# Allegro board 038NC-GRIFFI-V9A_16_20260429.brd (continued)
## Placement (name value [footprint] x y rotation side) (continued)
UNK9R3  10K-0.1-S4  [R0402]  149.26 301.18 270 bottom
UNK9R7  1K-1-S4  [R0402]  136.75 325.55 180 bottom
UNK9R8  1K-1-S4  [R0402]  139.39 325.55 0 bottom
UNK9R13  0-5-S4  [R0402]  195.08 484.56 0 top
UNK9R14  0-5-S4  [R0402]  247.96 483.08 0 top
UNK9R41  24K-0.1-S4  [R0402]  134.26 308.78 270 bottom
UNK9R42  44.2K-0.1-S4-PAN  [R0402]  134.26 306.58 270 bottom
UNK9RS1  0-5-S4  [R0402]  142.12 268.34 0 bottom
UNK9RS2  NC/0-5-S4  [R0402]  150.47 274.28 270 bottom
UNK9RS3  NC/0-5-S4  [R0402]  142.12 269.82 0 bottom
UNK9RS4  0-5-S4  [R0402]  151.95 274.28 270 bottom
UNK9RS5  0-5-S4  [R0402]  150.96 276.2 0 bottom
UNK9SH2  SHORT  [DEFAULT_SHORT_SMALL]  98.14 484.64 0 top
UNK9SH7  SHORT  [DEFAULT_SHORT_SMALL]  128.99 484.64 0 top
UNK9SH9  SHORT  [DEFAULT_SHORT_SMALL]  131.19 484.64 0 top
UNK9SH14  SHORT  [DEFAULT_SHORT_SMALL]  93.74 484.64 0 top
UNK9SH16  SHORT  [DEFAULT_SHORT_SMALL]  95.94 484.64 0 top
UNK9SH20  SHORT  [DEFAULT_SHORT_SMALL]  100.35 484.64 0 top
UNK9SH29  SHORT  [DEFAULT_SHORT_SMALL]  102.55 484.64 0 top
UNK9SH30  SHORT  [DEFAULT_SHORT_SMALL]  104.75 484.64 0 top
UNK9SH32  SHORT  [DEFAULT_SHORT_SMALL]  106.96 484.64 0 top
UNK9SH33  SHORT  [DEFAULT_SHORT_SMALL]  109.16 484.64 0 top
UNK9SH34  SHORT  [DEFAULT_SHORT_SMALL]  111.36 484.64 0 top
UNK9SH35  SHORT  [DEFAULT_SHORT_SMALL]  140.73 268.88 270 top
UNK9SH36  SHORT  [DEFAULT_SHORT_SMALL]  139.79 268.89 270 top
UNK9SH37  SHORT  [DEFAULT_SHORT_SMALL]  157.74 270.62 270 top
UNK9SH38  SHORT  [DEFAULT_SHORT_SMALL]  159.09 270.63 270 top
UNK9SH39  SHORT  [DEFAULT_SHORT_SMALL]  122.38 484.64 0 top
UNK9SH40  SHORT  [DEFAULT_SHORT_SMALL]  134.38 330.96 270 top
UNK9SH41  SHORT  [DEFAULT_SHORT_SMALL]  141.77 330.96 270 top
UNK9TP_AVSS2/TST  TP01  [TP_040_T]  133.84 274.45 0 top
UNK9TP_GPIO0  TP01  [TP_040_T]  136.57 295.94 90 top
UNK9TP_GPIO1  TP01  [TP_040_T]  136.57 298.48 270 top
UNK9TP_GPIO2  TP01  [TP_040_T]  149.27 295.94 0 top
UNK9TP_GPIO3  TP01  [TP_040_T]  149.27 298.48 270 top
UNK9TP_GPIO4  TP01  [TP_040_T]  146.73 295.94 270 top
UNK9TP_LED0  TP01  [TP_040_T]  144.19 298.48 270 top
UNK9TP_LED1  TP01  [TP_040_T]  144.19 295.94 90 top
UNK9TP_LED2  TP01  [TP_040_T]  146.73 298.48 270 top
UNK9TP_LSIN1_F  TP01  [TP_040_T]  150.99 330.46 0 top
UNK9TP_LSIN1_G  TP01  [TP_040_T]  145.91 340.62 0 top
UNK9TP_LSIN1_S  TP01  [TP_040_T]  148.45 330.46 0 top
UNK9TP_LSIN2/NCHGEN_F  TP01  [TP_040_T]  150.99 335.54 0 top
UNK9TP_LSIN2/NCHGEN_G  TP01  [TP_040_T]  148.45 340.62 0 top
UNK9TP_LSIN2/NCHGEN_S  TP01  [TP_040_T]  148.45 335.54 0 top
UNK9TP_LSOUT1_F  TP01  [TP_040_T]  139.67 244.47 180 top
UNK9TP_LSOUT1_G  TP01  [TP_040_T]  143.37 340.62 0 top
UNK9TP_LSOUT1_S  TP01  [TP_040_T]  141.65 298.48 270 top
UNK9TP_LSOUT2/SUSPEND1_G  TP01  [TP_040_T]  150.99 340.62 0 top
UNK9TP_LSOUT2/SUSPEND1_S  TP01  [TP_040_T]  141.65 295.94 0 top
UNK9TP_LSOUT2/SUSPEND_F  TP01  [TP_040_T]  136.47 244.47 180 top
UNK9TP_NCHG/ATB0_F  TP01  [TP_040_T]  143.93 292.54 0 top
UNK9TP_NCHG/ATB0_G  TP01  [TP_040_T]  143.93 288.14 0 top
UNK9TP_NCHG/ATB0_S  TP01  [TP_040_T]  147.13 290.34 0 top
UNK9TP_NPG/ATB1_F  TP01  [TP_040_T]  136.47 292.54 0 top
UNK9TP_NPG/ATB1_G  TP01  [TP_040_T]  136.47 288.14 0 top
UNK9TP_NPG/ATB1_S  TP01  [TP_040_T]  139.67 292.54 0 top
UNK9TP_NTC  TP01  [TP_040_T]  151.39 307.08 180 top
UNK9TP_REF_5V  TP01  [TP_040_T]  162.06 284.94 180 top
UNK9TP_SCL  TP01  [TP_040_T]  136.47 330.46 0 top
UNK9TP_SDA  TP01  [TP_040_T]  139.67 330.46 0 top
UNK9TP_SHPHLD_F  TP01  [TP_040_T]  139.11 298.48 270 top
UNK9TP_SHPHLD_S  TP01  [TP_040_T]  139.11 295.94 90 top
UNK9TP_SW_F  TP01  [TP_040_T]  156.07 330.46 0 top
UNK9TP_SW_S  TP01  [TP_040_T]  153.53 330.46 0 top
UNK9TP_VBAT_F  TP01  [TP_040_T]  162.06 287.14 0 top
UNK9TP_VBAT_S  TP01  [TP_040_T]  158.86 287.14 0 top
UNK9TP_VBUS_F  TP01  [TP_040_T]  143.37 330.46 0 top
UNK9TP_VBUS_S  TP01  [TP_040_T]  145.91 330.46 0 top
UNK9TP_VDDIO_F  TP01  [TP_040_T]  158.61 335.54 0 top
UNK9TP_VDDIO_S  TP01  [TP_040_T]  121.95 486.88 0 top
UNK9TP_VEST  TP01  [TP_040_T]  133.28 269.26 0 top
UNK9TP_VOUT_F  TP01  [TP_040_T]  123.93 486.88 0 top
UNK9TP_VOUT_S  TP01  [TP_040_T]  158.61 330.46 0 top
UNK9TP_VSYS_F  TP01  [TP_040_T]  145.91 335.54 0 top
UNK9TP_VSYS_S  TP01  [TP_040_T]  143.37 335.54 0 top
UNK9U1  ADR4550BRZ-SOIC8  [SO8_195X127MM]  156.83 296.98 180 bottom
UNK10C1  1U-6.3-X7R-S6-MU  [C0603]  139.36 142.49 90 bottom
UNK10C2  2.2U-25-X8R-SA-TDK  [C1206]  155.84 178.21 180 bottom
UNK10C3  10U-6.3-X7R-S6-SS  [C0603]  151.92 177.36 270 bottom
UNK10C4  2.2U-25-X8R-SA-TDK  [C1206]  148.38 192.05 180 bottom
UNK10C5  2.2U-25-X8R-SA-TDK  [C1206]  142.68 192.05 0 bottom
UNK10C6  4.7U-6.3-X-S6  [C0603]  161.21 178.21 180 bottom
UNK10C7  0.1U-25-X7R-S6-YA  [C0603]  161.75 238.65 0 bottom
UNK10C8  1U-50-X7R-S6-TY  [C0603]  161.75 237.13 0 bottom
UNK10C9  0.1U-25-X7R-S6-YA  [C0603]  151.9 237.3 270 bottom
UNK10C12  2.2U-25-X8R-SA-TDK  [C1206]  146.98 142.89 90 bottom
UNK10CS1  CNC-S4  [C0402]  142.12 211.3 180 bottom
UNK10CS4  CNC-S4  [C0402]  142.12 206.86 0 bottom
UNK10CS5  CNC-S4  [C0402]  142.12 205.38 0 bottom
UNK10CS19  CNC-S4  [C0402]  155.85 206.81 0 bottom
UNK10CS20  CNC-S4  [C0402]  155.85 208.29 0 bottom
UNK10CS21  CNC-S4  [C0402]  155.85 209.77 0 bottom
UNK10CS22  CNC-S4  [C0402]  154.91 214.28 90 bottom
UNK10CS23  CNC-S4  [C0402]  153.43 214.28 90 bottom
UNK10CS25  CNC-S4  [C0402]  148.98 214.28 90 bottom
UNK10CS26  CNC-S4  [C0402]  147.5 214.28 270 bottom
UNK10CS27  CNC-S4  [C0402]  146.02 214.28 270 bottom
UNK10CS28  CNC-S4  [C0402]  144.54 214.28 90 bottom
UNK10K1  UA2-12NJ-V2  [RL_NECUA2_12V_V2]  152.99 185.33 90 bottom
UNK10K2  UA2-12NJ-V2  [RL_NECUA2_12V_V2]  145.53 185.33 90 bottom
UNK10K3  UA2-12NJ-V2  [RL_NECUA2_12V_V2]  136.66 207.46 270 bottom
UNK10K4  UA2-12NJ-V2  [RL_NECUA2_12V_V2]  145.53 169.7 90 bottom
UNK10K5  UA2-12NJ-V2  [RL_NECUA2_12V_V2]  138.07 169.7 90 bottom
UNK10K6  UA2-12NJ-V2  [RL_NECUA2_12V_V2]  152.99 169.3 270 bottom
UNK10K7  UA2-12NJ-V2  [RL_NECUA2_12V_V2]  160.46 169.7 90 bottom
UNK10K8  UA2-12NJ-V2  [RL_NECUA2_12V_V2]  138.07 185.33 90 bottom
UNK10K9  UA2-12NJ-V2  [RL_NECUA2_12V_V2]  160.46 142.72 270 bottom
UNK10K10  UA2-12NJ-V2  [RL_NECUA2_12V_V2]  160.46 185.33 90 bottom
UNK10K11  UA2-12NJ-V2  [RL_NECUA2_12V_V2]  152.99 229.98 90 bottom
UNK10K12  UA2-12NJ-V2  [RL_NECUA2_12V_V2]  160.46 229.98 90 bottom
UNK10K13  UA2-12NJ-V2  [RL_NECUA2_12V_V2]  138.07 229.58 270 bottom
UNK10K14  UA2-12NJ-V2  [RL_NECUA2_12V_V2]  145.53 229.58 270 bottom
UNK10R1  4.7K-1-S4-WA  [R0402]  136.51 201.49 180 bottom
UNK10R2  3.01K-0.1-S4-PAN  [R0402]  141.8 166.2 90 bottom
UNK10R3  10K-0.1-S4  [R0402]  149.26 172.8 270 bottom
UNK10R7  1K-1-S4  [R0402]  161.78 149.43 0 bottom
UNK10R8  1K-1-S4  [R0402]  159.14 149.43 180 bottom
UNK10R13  0-5-S4  [R0402]  101.92 477.24 0 top
UNK10R14  0-5-S4  [R0402]  135.6 484.56 0 top
UNK10R41  24K-0.1-S4  [R0402]  164.26 166.2 90 bottom
UNK10R42  44.2K-0.1-S4-PAN  [R0402]  164.26 168.4 90 bottom
UNK10RS1  0-5-S4  [R0402]  142.12 208.34 0 bottom
UNK10RS2  NC/0-5-S4  [R0402]  150.47 214.28 270 bottom
UNK10RS3  NC/0-5-S4  [R0402]  142.12 209.82 0 bottom
UNK10RS4  0-5-S4  [R0402]  151.95 214.28 270 bottom
UNK10RS5  0-5-S4  [R0402]  150.96 216.2 0 bottom
UNK10SH2  SHORT  [DEFAULT_SHORT_SMALL]  75.34 475.82 0 top
UNK10SH7  SHORT  [DEFAULT_SHORT_SMALL]  106.18 475.82 0 top
UNK10SH9  SHORT  [DEFAULT_SHORT_SMALL]  108.39 475.82 0 top
UNK10SH14  SHORT  [DEFAULT_SHORT_SMALL]  70.93 475.82 0 top
UNK10SH16  SHORT  [DEFAULT_SHORT_SMALL]  73.14 475.82 0 top
UNK10SH20  SHORT  [DEFAULT_SHORT_SMALL]  77.54 475.82 0 top
UNK10SH29  SHORT  [DEFAULT_SHORT_SMALL]  79.75 475.82 0 top
UNK10SH30  SHORT  [DEFAULT_SHORT_SMALL]  81.95 475.82 0 top
UNK10SH32  SHORT  [DEFAULT_SHORT_SMALL]  84.15 475.82 0 top
UNK10SH33  SHORT  [DEFAULT_SHORT_SMALL]  86.36 475.82 0 top
UNK10SH34  SHORT  [DEFAULT_SHORT_SMALL]  88.56 475.82 0 top
UNK10SH35  SHORT  [DEFAULT_SHORT_SMALL]  139.98 203.39 90 top
UNK10SH36  SHORT  [DEFAULT_SHORT_SMALL]  140.82 203.4 90 top
UNK10SH37  SHORT  [DEFAULT_SHORT_SMALL]  158.62 204.21 90 top
UNK10SH38  SHORT  [DEFAULT_SHORT_SMALL]  157.45 204.23 90 top
UNK10SH39  SHORT  [DEFAULT_SHORT_SMALL]  99.58 475.82 0 top
UNK10SH40  SHORT  [DEFAULT_SHORT_SMALL]  164.15 144.02 90 top
UNK10SH41  SHORT  [DEFAULT_SHORT_SMALL]  156.76 144.02 90 top
UNK10TP_AVSS2/TST  TP01  [TP_040_T]  133.84 214.45 0 top
UNK10TP_GPIO0  TP01  [TP_040_T]  149.17 178.59 270 top
UNK10TP_GPIO1  TP01  [TP_040_T]  149.17 176.05 90 top
UNK10TP_GPIO2  TP01  [TP_040_T]  136.47 178.59 180 top
UNK10TP_GPIO3  TP01  [TP_040_T]  136.47 176.05 90 top
UNK10TP_GPIO4  TP01  [TP_040_T]  139.01 178.59 90 top
UNK10TP_LED0  TP01  [TP_040_T]  141.55 176.05 90 top
UNK10TP_LED1  TP01  [TP_040_T]  141.55 178.59 270 top
UNK10TP_LED2  TP01  [TP_040_T]  139.01 176.05 90 top
UNK10TP_LSIN1_F  TP01  [TP_040_T]  146.98 146.72 180 top
UNK10TP_LSIN1_G  TP01  [TP_040_T]  146.98 136.56 0 top
UNK10TP_LSIN1_S  TP01  [TP_040_T]  149.52 146.72 180 top
UNK10TP_LSIN2/NCHGEN_F  TP01  [TP_040_T]  146.98 141.64 180 top
UNK10TP_LSIN2/NCHGEN_G  TP01  [TP_040_T]  154.6 136.56 0 top
UNK10TP_LSIN2/NCHGEN_S  TP01  [TP_040_T]  149.52 141.64 180 top
UNK10TP_LSOUT1_F  TP01  [TP_040_T]  201.6 486.57 0 top
UNK10TP_LSOUT1_G  TP01  [TP_040_T]  149.52 136.56 0 top
UNK10TP_LSOUT1_S  TP01  [TP_040_T]  144.09 176.05 90 top
UNK10TP_LSOUT2/SUSPEND1_G  TP01  [TP_040_T]  152.06 136.56 0 top
UNK10TP_LSOUT2/SUSPEND1_S  TP01  [TP_040_T]  144.09 178.59 180 top
UNK10TP_LSOUT2/SUSPEND_F  TP01  [TP_040_T]  207.69 484.9 0 top
UNK10TP_NCHG/ATB0_F  TP01  [TP_040_T]  143.93 233.58 0 top
UNK10TP_NCHG/ATB0_G  TP01  [TP_040_T]  143.93 229.18 0 top
UNK10TP_NCHG/ATB0_S  TP01  [TP_040_T]  147.13 231.38 0 top
UNK10TP_NPG/ATB1_F  TP01  [TP_040_T]  136.47 233.58 0 top
UNK10TP_NPG/ATB1_G  TP01  [TP_040_T]  136.47 229.18 0 top
UNK10TP_NPG/ATB1_S  TP01  [TP_040_T]  139.67 233.58 0 top
UNK10TP_NTC  TP01  [TP_040_T]  147.13 167.9 0 top
UNK10TP_REF_5V  TP01  [TP_040_T]  209.67 484.9 0 top
UNK10TP_SCL  TP01  [TP_040_T]  162.06 144.52 180 top
UNK10TP_SDA  TP01  [TP_040_T]  158.86 144.52 180 top
UNK10TP_SHPHLD_F  TP01  [TP_040_T]  146.63 176.05 90 top
UNK10TP_SHPHLD_S  TP01  [TP_040_T]  146.63 178.59 270 top
UNK10TP_SW_F  TP01  [TP_040_T]  141.9 146.72 180 top
UNK10TP_SW_S  TP01  [TP_040_T]  144.44 146.72 180 top
UNK10TP_VBAT_F  TP01  [TP_040_T]  162.06 228.18 0 top
UNK10TP_VBAT_S  TP01  [TP_040_T]  158.86 228.18 0 top
UNK10TP_VBUS_F  TP01  [TP_040_T]  154.6 146.72 180 top
UNK10TP_VBUS_S  TP01  [TP_040_T]  152.06 146.72 180 top
UNK10TP_VDDIO_F  TP01  [TP_040_T]  139.36 141.64 180 top
UNK10TP_VDDIO_S  TP01  [TP_040_T]  136.82 141.64 180 top
UNK10TP_VEST  TP01  [TP_040_T]  133.28 209.26 0 top
UNK10TP_VOUT_F  TP01  [TP_040_T]  136.82 146.72 180 top
UNK10TP_VOUT_S  TP01  [TP_040_T]  139.36 146.72 180 top
UNK10TP_VSYS_F  TP01  [TP_040_T]  152.06 141.64 180 top
UNK10TP_VSYS_S  TP01  [TP_040_T]  154.6 141.64 180 top
UNK10U1  ADR4550BRZ-SOIC8  [SO8_195X127MM]  156.32 238.02 180 bottom
UNK11C1  1U-6.3-X7R-S6-MU  [C0603]  188.61 334.69 270 bottom
UNK11C2  2.2U-25-X8R-SA-TDK  [C1206]  179.52 237.92 90 bottom
UNK11C3  10U-6.3-X7R-S6-SS  [C0603]  177.13 238.61 270 bottom
UNK11C4  2.2U-25-X8R-SA-TDK  [C1206]  169.67 237.92 90 bottom
UNK11C5  2.2U-25-X8R-SA-TDK  [C1206]  166.47 237.92 270 bottom
UNK11C6  4.7U-6.3-X-S6  [C0603]  194.26 241.42 270 bottom
UNK11C7  0.1U-25-X7R-S6-YA  [C0603]  192.25 297.61 0 bottom
UNK11C8  1U-50-X7R-S6-TY  [C0603]  192.25 296.09 0 bottom
UNK11C9  0.1U-25-X7R-S6-YA  [C0603]  182.41 296.26 270 bottom
UNK11C12  2.2U-25-X8R-SA-TDK  [C1206]  180.99 334.29 270 bottom
UNK11CS1  CNC-S4  [C0402]  172.12 271.3 180 bottom
UNK11CS4  CNC-S4  [C0402]  172.12 266.86 0 bottom
UNK11CS5  CNC-S4  [C0402]  172.12 265.38 0 bottom
UNK11CS19  CNC-S4  [C0402]  185.85 266.81 0 bottom
UNK11CS20  CNC-S4  [C0402]  185.85 268.29 0 bottom
UNK11CS21  CNC-S4  [C0402]  185.85 269.77 0 bottom
UNK11CS22  CNC-S4  [C0402]  184.91 274.28 90 bottom
UNK11CS23  CNC-S4  [C0402]  183.43 274.28 90 bottom
UNK11CS25  CNC-S4  [C0402]  178.98 274.28 90 bottom
UNK11CS26  CNC-S4  [C0402]  177.5 274.28 270 bottom
UNK11CS27  CNC-S4  [C0402]  176.02 274.28 270 bottom
UNK11CS28  CNC-S4  [C0402]  174.54 274.28 90 bottom
UNK11K1  UA2-12NJ-V2  [RL_NECUA2_12V_V2]  182.99 246.27 90 bottom
UNK11K2  UA2-12NJ-V2  [RL_NECUA2_12V_V2]  175.53 246.27 90 bottom
UNK11K3  UA2-12NJ-V2  [RL_NECUA2_12V_V2]  166.66 267.46 270 bottom
UNK11K4  UA2-12NJ-V2  [RL_NECUA2_12V_V2]  182.99 305.28 270 bottom
UNK11K5  UA2-12NJ-V2  [RL_NECUA2_12V_V2]  190.46 305.28 270 bottom
UNK11K6  UA2-12NJ-V2  [RL_NECUA2_12V_V2]  175.53 305.68 90 bottom
UNK11K7  UA2-12NJ-V2  [RL_NECUA2_12V_V2]  168.07 305.28 270 bottom
UNK11K8  UA2-12NJ-V2  [RL_NECUA2_12V_V2]  168.07 246.27 90 bottom
UNK11K9  UA2-12NJ-V2  [RL_NECUA2_12V_V2]  168.07 332.26 90 bottom
UNK11K10  UA2-12NJ-V2  [RL_NECUA2_12V_V2]  182.99 288.94 90 bottom
UNK11K11  UA2-12NJ-V2  [RL_NECUA2_12V_V2]  190.46 246.27 90 bottom
UNK11K12  UA2-12NJ-V2  [RL_NECUA2_12V_V2]  190.46 288.94 90 bottom
UNK11K13  UA2-12NJ-V2  [RL_NECUA2_12V_V2]  168.07 288.54 270 bottom
UNK11K14  UA2-12NJ-V2  [RL_NECUA2_12V_V2]  175.53 288.54 270 bottom
UNK11R1  4.7K-1-S4-WA  [R0402]  166.51 261.49 180 bottom
UNK11R2  3.01K-0.1-S4-PAN  [R0402]  186.73 308.78 270 bottom
UNK11R3  10K-0.1-S4  [R0402]  179.26 301.18 270 bottom
UNK11R7  1K-1-S4  [R0402]  166.75 325.55 180 bottom
UNK11R8  1K-1-S4  [R0402]  169.39 325.55 0 bottom
UNK11R13  0-5-S4  [R0402]  137.8 484.56 0 top
UNK11R14  0-5-S4  [R0402]  140 484.56 0 top
UNK11R41  24K-0.1-S4  [R0402]  164.26 308.78 270 bottom
UNK11R42  44.2K-0.1-S4-PAN  [R0402]  164.26 306.58 270 bottom
UNK11RS1  0-5-S4  [R0402]  172.12 268.34 0 bottom
UNK11RS2  NC/0-5-S4  [R0402]  180.47 274.28 270 bottom
UNK11RS3  NC/0-5-S4  [R0402]  172.12 269.82 0 bottom
UNK11RS4  0-5-S4  [R0402]  181.95 274.28 270 bottom
UNK11RS5  0-5-S4  [R0402]  180.96 276.2 0 bottom
UNK11SH2  SHORT  [DEFAULT_SHORT_SMALL]  115 475.82 0 top
UNK11SH7  SHORT  [DEFAULT_SHORT_SMALL]  145.84 475.82 0 top
UNK11SH9  SHORT  [DEFAULT_SHORT_SMALL]  148.05 475.82 0 top
UNK11SH14  SHORT  [DEFAULT_SHORT_SMALL]  110.59 475.82 0 top
UNK11SH16  SHORT  [DEFAULT_SHORT_SMALL]  112.79 475.82 0 top
UNK11SH20  SHORT  [DEFAULT_SHORT_SMALL]  117.2 475.82 0 top
UNK11SH29  SHORT  [DEFAULT_SHORT_SMALL]  119.4 475.82 0 top
UNK11SH30  SHORT  [DEFAULT_SHORT_SMALL]  121.61 475.82 0 top
UNK11SH32  SHORT  [DEFAULT_SHORT_SMALL]  123.81 475.82 0 top
UNK11SH33  SHORT  [DEFAULT_SHORT_SMALL]  126.01 475.82 0 top
UNK11SH34  SHORT  [DEFAULT_SHORT_SMALL]  128.22 475.82 0 top
UNK11SH35  SHORT  [DEFAULT_SHORT_SMALL]  170.79 268.72 270 top
UNK11SH36  SHORT  [DEFAULT_SHORT_SMALL]  169.85 268.72 270 top
UNK11SH37  SHORT  [DEFAULT_SHORT_SMALL]  188.11 270.63 270 top
UNK11SH38  SHORT  [DEFAULT_SHORT_SMALL]  189.76 270.64 270 top
UNK11SH39  SHORT  [DEFAULT_SHORT_SMALL]  139.23 475.82 0 top
UNK11SH40  SHORT  [DEFAULT_SHORT_SMALL]  164.38 330.96 270 top
UNK11SH41  SHORT  [DEFAULT_SHORT_SMALL]  171.76 330.96 270 top
UNK11TP_AVSS2/TST  TP01  [TP_040_T]  163.84 274.45 0 top
UNK11TP_GPIO0  TP01  [TP_040_T]  166.57 295.94 90 top
UNK11TP_GPIO1  TP01  [TP_040_T]  166.57 298.48 270 top
UNK11TP_GPIO2  TP01  [TP_040_T]  179.27 295.94 0 top
UNK11TP_GPIO3  TP01  [TP_040_T]  179.27 298.48 270 top
UNK11TP_GPIO4  TP01  [TP_040_T]  176.73 295.94 270 top
UNK11TP_LED0  TP01  [TP_040_T]  174.19 298.48 270 top
UNK11TP_LED1  TP01  [TP_040_T]  174.19 295.94 90 top
UNK11TP_LED2  TP01  [TP_040_T]  176.73 298.48 270 top
UNK11TP_LSIN1_F  TP01  [TP_040_T]  180.99 330.46 0 top
UNK11TP_LSIN1_G  TP01  [TP_040_T]  175.91 340.62 0 top
UNK11TP_LSIN1_S  TP01  [TP_040_T]  178.45 330.46 0 top
UNK11TP_LSIN2/NCHGEN_F  TP01  [TP_040_T]  180.99 335.54 0 top
UNK11TP_LSIN2/NCHGEN_G  TP01  [TP_040_T]  178.45 340.62 0 top
UNK11TP_LSIN2/NCHGEN_S  TP01  [TP_040_T]  178.45 335.54 0 top
UNK11TP_LSOUT1_F  TP01  [TP_040_T]  169.67 244.47 180 top
UNK11TP_LSOUT1_G  TP01  [TP_040_T]  173.37 340.62 0 top
UNK11TP_LSOUT1_S  TP01  [TP_040_T]  171.65 298.48 270 top
UNK11TP_LSOUT2/SUSPEND1_G  TP01  [TP_040_T]  180.99 340.62 0 top
UNK11TP_LSOUT2/SUSPEND1_S  TP01  [TP_040_T]  171.65 295.94 0 top
UNK11TP_LSOUT2/SUSPEND_F  TP01  [TP_040_T]  166.47 244.47 180 top
UNK11TP_NCHG/ATB0_F  TP01  [TP_040_T]  173.93 292.54 0 top
UNK11TP_NCHG/ATB0_G  TP01  [TP_040_T]  173.93 288.14 0 top
UNK11TP_NCHG/ATB0_S  TP01  [TP_040_T]  177.13 290.34 0 top
UNK11TP_NPG/ATB1_F  TP01  [TP_040_T]  166.47 292.54 0 top
UNK11TP_NPG/ATB1_G  TP01  [TP_040_T]  166.47 288.14 0 top
UNK11TP_NPG/ATB1_S  TP01  [TP_040_T]  169.67 292.54 0 top
UNK11TP_NTC  TP01  [TP_040_T]  181.39 307.08 180 top
UNK11TP_REF_5V  TP01  [TP_040_T]  192.06 284.94 180 top
UNK11TP_SCL  TP01  [TP_040_T]  166.47 330.46 0 top
UNK11TP_SDA  TP01  [TP_040_T]  169.67 330.46 0 top
UNK11TP_SHPHLD_F  TP01  [TP_040_T]  169.11 298.48 270 top
UNK11TP_SHPHLD_S  TP01  [TP_040_T]  169.11 295.94 90 top
UNK11TP_SW_F  TP01  [TP_040_T]  186.07 330.46 0 top
UNK11TP_SW_S  TP01  [TP_040_T]  183.53 330.46 0 top
UNK11TP_VBAT_F  TP01  [TP_040_T]  192.06 287.14 0 top
UNK11TP_VBAT_S  TP01  [TP_040_T]  188.86 287.14 0 top
UNK11TP_VBUS_F  TP01  [TP_040_T]  173.37 330.46 0 top
UNK11TP_VBUS_S  TP01  [TP_040_T]  175.91 330.46 0 top
UNK11TP_VDDIO_F  TP01  [TP_040_T]  188.61 335.54 0 top
UNK11TP_VDDIO_S  TP01  [TP_040_T]  219.58 484.9 0 top
UNK11TP_VEST  TP01  [TP_040_T]  163.28 269.26 0 top
UNK11TP_VOUT_F  TP01  [TP_040_T]  221.56 484.9 0 top
UNK11TP_VOUT_S  TP01  [TP_040_T]  188.61 330.46 0 top
UNK11TP_VSYS_F  TP01  [TP_040_T]  175.91 335.54 0 top
UNK11TP_VSYS_S  TP01  [TP_040_T]  173.37 335.54 0 top
UNK11U1  ADR4550BRZ-SOIC8  [SO8_195X127MM]  186.83 296.98 180 bottom
UNK12C1  1U-6.3-X7R-S6-MU  [C0603]  169.36 142.49 90 bottom
UNK12C2  2.2U-25-X8R-SA-TDK  [C1206]  185.84 178.21 180 bottom
UNK12C3  10U-6.3-X7R-S6-SS  [C0603]  181.92 177.36 270 bottom
UNK12C4  2.2U-25-X8R-SA-TDK  [C1206]  178.38 192.05 180 bottom
UNK12C5  2.2U-25-X8R-SA-TDK  [C1206]  172.68 192.05 0 bottom
UNK12C6  4.7U-6.3-X-S6  [C0603]  191.21 178.21 180 bottom
UNK12C7  0.1U-25-X7R-S6-YA  [C0603]  191.75 238.65 0 bottom
UNK12C8  1U-50-X7R-S6-TY  [C0603]  191.75 237.13 0 bottom
UNK12C9  0.1U-25-X7R-S6-YA  [C0603]  181.9 237.3 270 bottom
UNK12C12  2.2U-25-X8R-SA-TDK  [C1206]  176.98 142.89 90 bottom
UNK12CS1  CNC-S4  [C0402]  172.12 211.3 180 bottom
UNK12CS4  CNC-S4  [C0402]  172.12 206.86 0 bottom
UNK12CS5  CNC-S4  [C0402]  172.12 205.38 0 bottom
UNK12CS19  CNC-S4  [C0402]  185.85 206.81 0 bottom
UNK12CS20  CNC-S4  [C0402]  185.85 208.29 0 bottom
UNK12CS21  CNC-S4  [C0402]  185.85 209.77 0 bottom
UNK12CS22  CNC-S4  [C0402]  184.91 214.28 90 bottom
UNK12CS23  CNC-S4  [C0402]  183.43 214.28 90 bottom
UNK12CS25  CNC-S4  [C0402]  178.98 214.28 90 bottom
UNK12CS26  CNC-S4  [C0402]  177.5 214.28 270 bottom
UNK12CS27  CNC-S4  [C0402]  176.02 214.28 270 bottom
UNK12CS28  CNC-S4  [C0402]  174.54 214.28 90 bottom
UNK12K1  UA2-12NJ-V2  [RL_NECUA2_12V_V2]  182.99 185.33 90 bottom
UNK12K2  UA2-12NJ-V2  [RL_NECUA2_12V_V2]  175.53 185.33 90 bottom
UNK12K3  UA2-12NJ-V2  [RL_NECUA2_12V_V2]  166.66 207.46 270 bottom
UNK12K4  UA2-12NJ-V2  [RL_NECUA2_12V_V2]  175.53 169.7 90 bottom
UNK12K5  UA2-12NJ-V2  [RL_NECUA2_12V_V2]  168.07 169.7 90 bottom
UNK12K6  UA2-12NJ-V2  [RL_NECUA2_12V_V2]  182.99 169.3 270 bottom
UNK12K7  UA2-12NJ-V2  [RL_NECUA2_12V_V2]  190.46 169.7 90 bottom
UNK12K8  UA2-12NJ-V2  [RL_NECUA2_12V_V2]  168.07 185.33 90 bottom
UNK12K9  UA2-12NJ-V2  [RL_NECUA2_12V_V2]  190.46 142.72 270 bottom
UNK12K10  UA2-12NJ-V2  [RL_NECUA2_12V_V2]  190.46 185.33 90 bottom
UNK12K11  UA2-12NJ-V2  [RL_NECUA2_12V_V2]  182.99 229.98 90 bottom
UNK12K12  UA2-12NJ-V2  [RL_NECUA2_12V_V2]  190.46 229.98 90 bottom
UNK12K13  UA2-12NJ-V2  [RL_NECUA2_12V_V2]  168.07 229.58 270 bottom
UNK12K14  UA2-12NJ-V2  [RL_NECUA2_12V_V2]  175.53 229.58 270 bottom
UNK12R1  4.7K-1-S4-WA  [R0402]  166.51 201.49 180 bottom
UNK12R2  3.01K-0.1-S4-PAN  [R0402]  171.8 166.2 90 bottom
UNK12R3  10K-0.1-S4  [R0402]  179.26 172.8 270 bottom
UNK12R7  1K-1-S4  [R0402]  191.78 149.43 0 bottom
UNK12R8  1K-1-S4  [R0402]  189.14 149.43 180 bottom
UNK12R13  0-5-S4  [R0402]  142.21 484.56 0 top
UNK12R14  0-5-S4  [R0402]  144.41 484.56 0 top
UNK12R41  24K-0.1-S4  [R0402]  194.26 166.2 90 bottom
UNK12R42  44.2K-0.1-S4-PAN  [R0402]  194.26 168.4 90 bottom
UNK12RS1  0-5-S4  [R0402]  172.12 208.34 0 bottom
UNK12RS2  NC/0-5-S4  [R0402]  180.47 214.28 270 bottom
UNK12RS3  NC/0-5-S4  [R0402]  172.12 209.82 0 bottom
UNK12RS4  0-5-S4  [R0402]  181.95 214.28 270 bottom
UNK12RS5  0-5-S4  [R0402]  180.96 216.2 0 bottom
UNK12SH2  SHORT  [DEFAULT_SHORT_SMALL]  154.66 475.82 0 top
UNK12SH7  SHORT  [DEFAULT_SHORT_SMALL]  185.5 475.82 0 top
UNK12SH9  SHORT  [DEFAULT_SHORT_SMALL]  187.7 475.82 0 top
UNK12SH14  SHORT  [DEFAULT_SHORT_SMALL]  150.25 475.82 0 top
UNK12SH16  SHORT  [DEFAULT_SHORT_SMALL]  152.45 475.82 0 top
UNK12SH20  SHORT  [DEFAULT_SHORT_SMALL]  156.86 475.82 0 top
UNK12SH29  SHORT  [DEFAULT_SHORT_SMALL]  159.06 475.82 0 top
UNK12SH30  SHORT  [DEFAULT_SHORT_SMALL]  161.26 475.82 0 top
UNK12SH32  SHORT  [DEFAULT_SHORT_SMALL]  163.47 475.82 0 top
UNK12SH33  SHORT  [DEFAULT_SHORT_SMALL]  165.67 475.82 0 top
UNK12SH34  SHORT  [DEFAULT_SHORT_SMALL]  167.87 475.82 0 top
UNK12SH35  SHORT  [DEFAULT_SHORT_SMALL]  170 202.95 90 top
UNK12SH36  SHORT  [DEFAULT_SHORT_SMALL]  170.81 202.96 90 top
UNK12SH37  SHORT  [DEFAULT_SHORT_SMALL]  188.49 204.33 90 top
UNK12SH38  SHORT  [DEFAULT_SHORT_SMALL]  187.4 204.32 90 top
UNK12SH39  SHORT  [DEFAULT_SHORT_SMALL]  178.89 475.82 0 top
UNK12SH40  SHORT  [DEFAULT_SHORT_SMALL]  194.15 144.02 90 top
UNK12SH41  SHORT  [DEFAULT_SHORT_SMALL]  186.76 144.02 90 top
UNK12TP_AVSS2/TST  TP01  [TP_040_T]  163.84 214.45 0 top
UNK12TP_GPIO0  TP01  [TP_040_T]  179.17 178.59 270 top
UNK12TP_GPIO1  TP01  [TP_040_T]  179.17 176.05 90 top
UNK12TP_GPIO2  TP01  [TP_040_T]  166.47 178.59 180 top
UNK12TP_GPIO3  TP01  [TP_040_T]  166.47 176.05 90 top
UNK12TP_GPIO4  TP01  [TP_040_T]  169.01 178.59 90 top
UNK12TP_LED0  TP01  [TP_040_T]  171.55 176.05 90 top
UNK12TP_LED1  TP01  [TP_040_T]  171.55 178.59 270 top
UNK12TP_LED2  TP01  [TP_040_T]  169.01 176.05 90 top
UNK12TP_LSIN1_F  TP01  [TP_040_T]  176.98 146.72 180 top
UNK12TP_LSIN1_G  TP01  [TP_040_T]  176.98 136.56 0 top
UNK12TP_LSIN1_S  TP01  [TP_040_T]  179.52 146.72 180 top
UNK12TP_LSIN2/NCHGEN_F  TP01  [TP_040_T]  176.98 141.64 180 top
UNK12TP_LSIN2/NCHGEN_G  TP01  [TP_040_T]  184.6 136.56 0 top
UNK12TP_LSIN2/NCHGEN_S  TP01  [TP_040_T]  179.52 141.64 180 top
UNK12TP_LSOUT1_F  TP01  [TP_040_T]  227.45 486.52 0 top
UNK12TP_LSOUT1_G  TP01  [TP_040_T]  179.52 136.56 0 top
UNK12TP_LSOUT1_S  TP01  [TP_040_T]  174.09 176.05 90 top
UNK12TP_LSOUT2/SUSPEND1_G  TP01  [TP_040_T]  182.06 136.56 0 top
UNK12TP_LSOUT2/SUSPEND1_S  TP01  [TP_040_T]  174.09 178.59 180 top
UNK12TP_LSOUT2/SUSPEND_F  TP01  [TP_040_T]  233.45 484.9 0 top
UNK12TP_NCHG/ATB0_F  TP01  [TP_040_T]  173.93 233.58 0 top
UNK12TP_NCHG/ATB0_G  TP01  [TP_040_T]  173.93 229.18 0 top
UNK12TP_NCHG/ATB0_S  TP01  [TP_040_T]  177.13 231.38 0 top
UNK12TP_NPG/ATB1_F  TP01  [TP_040_T]  166.47 233.58 0 top
UNK12TP_NPG/ATB1_G  TP01  [TP_040_T]  166.47 229.18 0 top
UNK12TP_NPG/ATB1_S  TP01  [TP_040_T]  169.67 233.58 0 top
UNK12TP_NTC  TP01  [TP_040_T]  177.13 167.9 0 top
UNK12TP_REF_5V  TP01  [TP_040_T]  235.43 484.9 0 top
UNK12TP_SCL  TP01  [TP_040_T]  192.06 144.52 180 top
UNK12TP_SDA  TP01  [TP_040_T]  188.86 144.52 180 top
UNK12TP_SHPHLD_F  TP01  [TP_040_T]  176.63 176.05 90 top
UNK12TP_SHPHLD_S  TP01  [TP_040_T]  176.63 178.59 270 top
UNK12TP_SW_F  TP01  [TP_040_T]  171.9 146.72 180 top
UNK12TP_SW_S  TP01  [TP_040_T]  174.44 146.72 180 top
UNK12TP_VBAT_F  TP01  [TP_040_T]  192.06 228.18 0 top
UNK12TP_VBAT_S  TP01  [TP_040_T]  188.86 228.18 0 top
UNK12TP_VBUS_F  TP01  [TP_040_T]  184.6 146.72 180 top
UNK12TP_VBUS_S  TP01  [TP_040_T]  182.06 146.72 180 top
UNK12TP_VDDIO_F  TP01  [TP_040_T]  169.36 141.64 180 top
UNK12TP_VDDIO_S  TP01  [TP_040_T]  166.82 141.64 180 top
UNK12TP_VEST  TP01  [TP_040_T]  163.28 209.26 0 top
UNK12TP_VOUT_F  TP01  [TP_040_T]  166.82 146.72 180 top
UNK12TP_VOUT_S  TP01  [TP_040_T]  169.36 146.72 180 top
UNK12TP_VSYS_F  TP01  [TP_040_T]  182.06 141.64 180 top
UNK12TP_VSYS_S  TP01  [TP_040_T]  184.6 141.64 180 top
UNK12U1  ADR4550BRZ-SOIC8  [SO8_195X127MM]  186.32 238.02 180 bottom
UNK13C1  1U-6.3-X7R-S6-MU  [C0603]  218.61 334.69 270 bottom
UNK13C2  2.2U-25-X8R-SA-TDK  [C1206]  209.52 237.92 90 bottom
UNK13C3  10U-6.3-X7R-S6-SS  [C0603]  207.13 238.61 270 bottom
UNK13C4  2.2U-25-X8R-SA-TDK  [C1206]  199.67 237.92 90 bottom
UNK13C5  2.2U-25-X8R-SA-TDK  [C1206]  196.47 237.92 270 bottom
UNK13C6  4.7U-6.3-X-S6  [C0603]  224.26 241.42 270 bottom
UNK13C7  0.1U-25-X7R-S6-YA  [C0603]  222.25 297.61 0 bottom
UNK13C8  1U-50-X7R-S6-TY  [C0603]  222.25 296.09 0 bottom
UNK13C9  0.1U-25-X7R-S6-YA  [C0603]  212.41 296.26 270 bottom
UNK13C12  2.2U-25-X8R-SA-TDK  [C1206]  210.99 334.29 270 bottom